# KiCad board panel-16.kicad_pcb (continued)
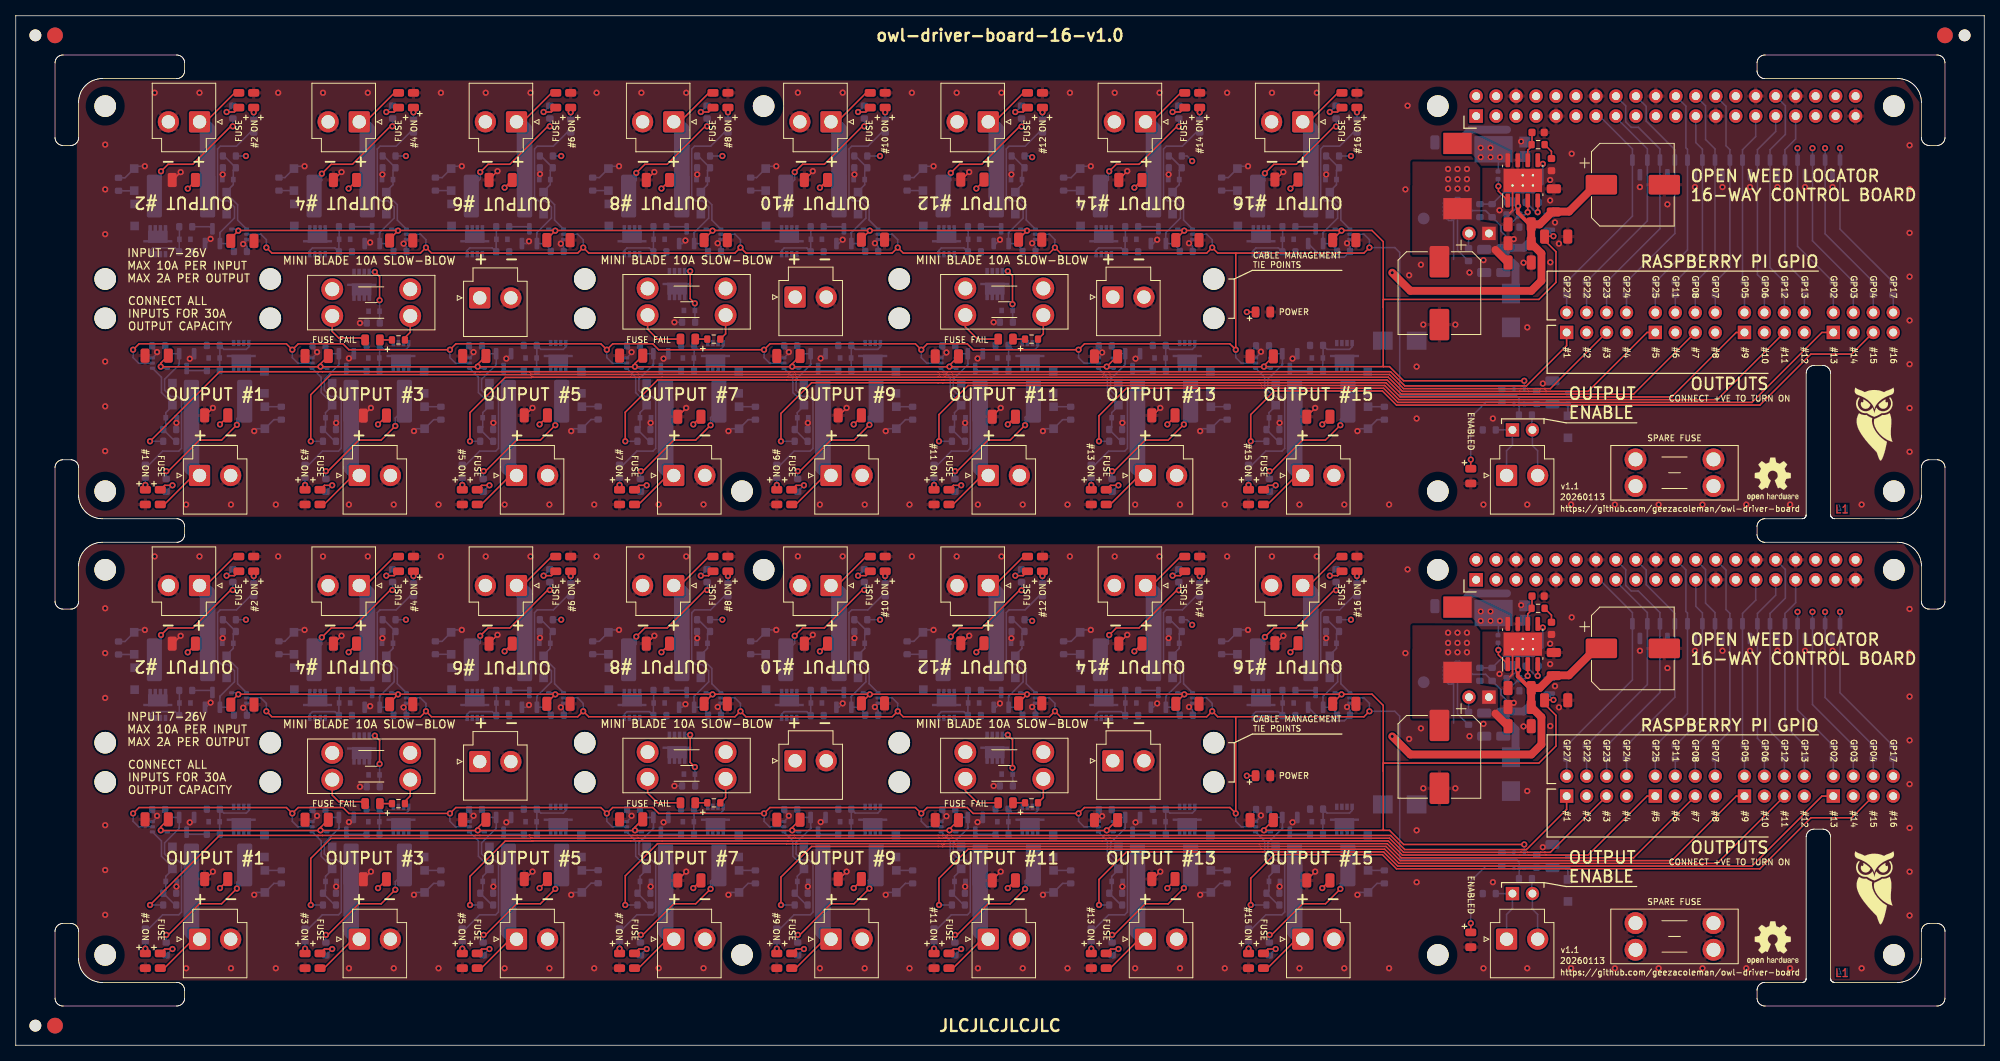
[diagram p0: board, top side]
## Placement (name value [footprint] x y rotation side) (continued)
R128#2  1k  [R_0603_1608Metric]  147.94 118.75 270 bottom
R129  1k  [R_0603_1608Metric]  159.9 17.85 180 bottom
R129#2  1k  [R_0603_1608Metric]  159.9 76.85 180 bottom
R130  10k  [R_0603_1608Metric]  159.9 19.35 180 bottom
R130#2  10k  [R_0603_1608Metric]  159.9 78.35 180 bottom
R131  470  [R_0603_1608Metric]  156.8 14.05 90 bottom
R131#2  470  [R_0603_1608Metric]  156.8 73.05 90 bottom
R132  10k  [R_0603_1608Metric]  158.58 89 0 bottom
R132#2  10k  [R_0603_1608Metric]  158.58 30 0 bottom
R133  1k  [R_0603_1608Metric]  165.45 30.05 180 bottom
R133#2  1k  [R_0603_1608Metric]  165.45 89.05 180 bottom
R134  470  [R_0603_1608Metric]  165.45 26.85 0 bottom
R134#2  470  [R_0603_1608Metric]  165.45 85.85 0 bottom
R135  1k  [R_0603_1608Metric]  159.45 71.25 90 bottom
R135#2  1k  [R_0603_1608Metric]  159.45 12.25 90 bottom
R136  1k  [R_0603_1608Metric]  167.49 54.15 0 bottom
R136#2  1k  [R_0603_1608Metric]  167.49 113.15 0 bottom
R137  10k  [R_0603_1608Metric]  167.49 52.65 0 bottom
R137#2  10k  [R_0603_1608Metric]  167.49 111.65 0 bottom
R138  470  [R_0603_1608Metric]  170.59 116.95 270 bottom
R138#2  470  [R_0603_1608Metric]  170.59 57.95 270 bottom
R139  10k  [R_0603_1608Metric]  168.88 101 180 bottom
R139#2  10k  [R_0603_1608Metric]  168.88 42 180 bottom
R140  1k  [R_0603_1608Metric]  161.94 100.95 0 bottom
R140#2  1k  [R_0603_1608Metric]  161.94 41.95 0 bottom
R141  470  [R_0603_1608Metric]  161.94 45.15 180 bottom
R141#2  470  [R_0603_1608Metric]  161.94 104.15 180 bottom
R142  1k  [R_0603_1608Metric]  167.94 118.75 270 bottom
R142#2  1k  [R_0603_1608Metric]  167.94 59.75 270 bottom
R143  470  [R_0603_1608Metric]  227.56 96.3 270 bottom
R143#2  470  [R_0603_1608Metric]  227.56 37.3 270 bottom
R144  470  [R_0603_1608Metric]  224.96 37.3 270 bottom
R144#2  470  [R_0603_1608Metric]  224.96 96.3 270 bottom
R145  470  [R_0603_1608Metric]  222.46 37.3 270 bottom
R145#2  470  [R_0603_1608Metric]  222.46 96.3 270 bottom
R146  470  [R_0603_1608Metric]  219.86 96.3 270 bottom
R146#2  470  [R_0603_1608Metric]  219.86 37.3 270 bottom
R154  10k  [R_0603_1608Metric]  33.78 80.43 90 bottom
R154#2  10k  [R_0603_1608Metric]  33.78 21.43 90 bottom
R155  10k  [R_0603_1608Metric]  13.08 50.55 270 bottom
R155#2  10k  [R_0603_1608Metric]  13.08 109.55 270 bottom
R156  10k  [R_0603_1608Metric]  54.08 21.43 90 bottom
R156#2  10k  [R_0603_1608Metric]  54.08 80.43 90 bottom
R157  10k  [R_0603_1608Metric]  33.48 50.58 270 bottom
R157#2  10k  [R_0603_1608Metric]  33.48 109.58 270 bottom
R158  10k  [R_0603_1608Metric]  74.08 80.45 90 bottom
R158#2  10k  [R_0603_1608Metric]  74.08 21.45 90 bottom
R159  10k  [R_0603_1608Metric]  53.38 50.58 270 bottom
R159#2  10k  [R_0603_1608Metric]  53.38 109.58 270 bottom
R160  10k  [R_0603_1608Metric]  94.08 80.43 90 bottom
R160#2  10k  [R_0603_1608Metric]  94.08 21.43 90 bottom
R161  10k  [R_0603_1608Metric]  73.38 109.58 270 bottom
R161#2  10k  [R_0603_1608Metric]  73.38 50.58 270 bottom
R162  10k  [R_0603_1608Metric]  114.08 80.43 90 bottom
R162#2  10k  [R_0603_1608Metric]  114.08 21.43 90 bottom
R163  10k  [R_0603_1608Metric]  93.48 50.58 270 bottom
R163#2  10k  [R_0603_1608Metric]  93.48 109.58 270 bottom
R164  10k  [R_0603_1608Metric]  134.18 80.43 90 bottom
R164#2  10k  [R_0603_1608Metric]  134.18 21.43 90 bottom
R165  10k  [R_0603_1608Metric]  113.38 109.58 270 bottom
R165#2  10k  [R_0603_1608Metric]  113.38 50.58 270 bottom
R166  10k  [R_0603_1608Metric]  154.08 80.43 90 bottom
R166#2  10k  [R_0603_1608Metric]  154.08 21.43 90 bottom
R167  10k  [R_0603_1608Metric]  133.28 109.58 270 bottom
R167#2  10k  [R_0603_1608Metric]  133.28 50.58 270 bottom
R168  10k  [R_0603_1608Metric]  174.08 80.43 90 bottom
R168#2  10k  [R_0603_1608Metric]  174.08 21.43 90 bottom
R169  10k  [R_0603_1608Metric]  153.38 50.58 270 bottom
R169#2  10k  [R_0603_1608Metric]  153.38 109.58 270 bottom
TP1  TestPoint  [TestPoint_Pad_D1.5mm_NoSilk]  179.08 46.2 180 bottom
TP1#2  TestPoint  [TestPoint_Pad_D1.5mm_NoSilk]  179.08 105.2 180 bottom
U1  TPS54531DDA  [Texas_R-PDSO-G8_EP2.95x4.9mm_Mask2.4x3.1mm_ThermalVias]  191.68 51.05 90 top
U1#2  TPS54531DDA  [Texas_R-PDSO-G8_EP2.95x4.9mm_Mask2.4x3.1mm_ThermalVias]  191.68 110.05 90 top
U3  LM73100  [LM73100-QFN10]  182.68 106.4 90 bottom
U3#2  LM73100  [LM73100-QFN10]  182.68 47.4 90 bottom
U5  74LVC1G08  [SOT-353_SC-70-5]  18.34 86.8 0 bottom
U5#2  74LVC1G08  [SOT-353_SC-70-5]  18.34 27.8 0 bottom
U6  74LVC1G08  [SOT-353_SC-70-5]  28.42 103.2 180 bottom
U6#2  74LVC1G08  [SOT-353_SC-70-5]  28.42 44.2 180 bottom
U7  74LVC1G08  [SOT-353_SC-70-5]  38.65 86.8 0 bottom
U7#2  74LVC1G08  [SOT-353_SC-70-5]  38.65 27.8 0 bottom
U8  74LVC1G08  [SOT-353_SC-70-5]  191.22 23.55 90 bottom
U8#2  74LVC1G08  [SOT-353_SC-70-5]  191.22 82.55 90 bottom
U9  XC6206P332MR  [SOT-23]  194.12 45.7 180 bottom
U9#2  XC6206P332MR  [SOT-23]  194.12 104.7 180 bottom
U10  74LVC1G08  [SOT-353_SC-70-5]  48.74 44.2 180 bottom
U10#2  74LVC1G08  [SOT-353_SC-70-5]  48.74 103.2 180 bottom
U11  74LVC1G08  [SOT-353_SC-70-5]  58.65 86.8 0 bottom
U11#2  74LVC1G08  [SOT-353_SC-70-5]  58.65 27.8 0 bottom
U12  74LVC1G08  [SOT-353_SC-70-5]  68.74 103.2 180 bottom
U12#2  74LVC1G08  [SOT-353_SC-70-5]  68.74 44.2 180 bottom
U13  74LVC1G08  [SOT-353_SC-70-5]  78.65 86.8 0 bottom
U13#2  74LVC1G08  [SOT-353_SC-70-5]  78.65 27.8 0 bottom
U14  74LVC1G08  [SOT-353_SC-70-5]  88.74 103.2 180 bottom
U14#2  74LVC1G08  [SOT-353_SC-70-5]  88.74 44.2 180 bottom
U15  74LVC1G08  [SOT-353_SC-70-5]  98.65 86.8 0 bottom
U15#2  74LVC1G08  [SOT-353_SC-70-5]  98.65 27.8 0 bottom
U16  74LVC1G08  [SOT-353_SC-70-5]  108.74 103.2 180 bottom
U16#2  74LVC1G08  [SOT-353_SC-70-5]  108.74 44.2 180 bottom
U17  74LVC1G08  [SOT-353_SC-70-5]  118.65 86.8 0 bottom
U17#2  74LVC1G08  [SOT-353_SC-70-5]  118.65 27.8 0 bottom
U18  74LVC1G08  [SOT-353_SC-70-5]  128.74 44.2 180 bottom
U18#2  74LVC1G08  [SOT-353_SC-70-5]  128.74 103.2 180 bottom
U19  74LVC1G08  [SOT-353_SC-70-5]  138.65 86.8 0 bottom
U19#2  74LVC1G08  [SOT-353_SC-70-5]  138.65 27.8 0 bottom
U20  74LVC1G08  [SOT-353_SC-70-5]  148.74 103.2 180 bottom
U20#2  74LVC1G08  [SOT-353_SC-70-5]  148.74 44.2 180 bottom
U21  74LVC1G08  [SOT-353_SC-70-5]  158.65 27.8 0 bottom
U21#2  74LVC1G08  [SOT-353_SC-70-5]  158.65 86.8 0 bottom
U22  74LVC1G08  [SOT-353_SC-70-5]  168.74 103.2 180 bottom
U22#2  74LVC1G08  [SOT-353_SC-70-5]  168.74 44.2 180 bottom

## Library data of the parts
C1 C1#2 C2 C2#2 C3 C3#2 C4 C4#2 C5 C5#2 C6 C6#2 C9 C9#2 C10 C10#2 C11 C11#2 C14 C14#2 C15 C15#2 C16 C16#2 C18 C18#2 C19 C19#2 C20 C20#2 C25 C25#2 C29 C29#2 C30 C30#2 C31 C31#2 C32 C32#2 C33 C33#2 C34 C34#2 C35 C35#2 C36 C36#2 C37 C37#2 C38 C38#2 C39 C39#2 C40 C40#2 C41 C41#2 C42 C42#2 C43 C43#2 C44 C44#2 C45 C45#2 = -: LCSC: C13585; Part: CL31A106KBHNNNE
C7 C7#2 C12 C12#2 C21 C21#2 C26 C26#2 C27 C27#2 C28 C28#2 C46 C46#2 C47 C47#2 C48 C48#2 = -: Part: CL31A106KBHNNNE; LCSC: C13585
C8 C8#2 C13 C13#2 = -: LCSC: C125977
C17 C17#2 = -: LCSC: C307331; Part: CL05B104KB54PNC
C22 C22#2 = -: Datasheet: https://datasheet.lcsc.com/lcsc/1810221112_Samsung-Electro-Mechanics-CL31A106KBHNNNE_C13585.pdf; Part: CL10C100JB8NNNC; LCSC: C1634
C23 C23#2 = -: Datasheet: https://datasheet.lcsc.com/lcsc/1810221112_Samsung-Electro-Mechanics-CL31A106KBHNNNE_C13585.pdf; LCSC: C1870141; Part: GCM1885C1H202FA16J
C24 C24#2 = -: LCSC: C57112; Part: 0603B103K500NT
D1 D1#2 D4 D4#2 D5 D5#2 D19 D19#2 D24 D24#2 D32 D32#2 D43 D43#2 D55 D55#2 D62 D62#2 D69 D69#2 D76 D76#2 D83 D83#2 D90 D90#2 D97 D97#2 D104 D104#2 D111 D111#2 D118 D118#2 D125 D125#2 D132 D132#2 = -: LCSC: C2296
D2 D2#2 D3 D3#2 D15 D15#2 D21 D21#2 D26 D26#2 D52 D52#2 D59 D59#2 D66 D66#2 D73 D73#2 D80 D80#2 D87 D87#2 D94 D94#2 D101 D101#2 D108 D108#2 D115 D115#2 D122 D122#2 = -: Datasheet: https://www.lcsc.com/datasheet/C460799.pdf; LCSC: C460799; Part: BZT585B13T-7
D6 D6#2 D33 D33#2 D39 D39#2 D45 D45#2 D46 D46#2 D47 D47#2 D48 D48#2 D49 D49#2 D50 D50#2 D57 D57#2 D64 D64#2 D71 D71#2 D78 D78#2 D85 D85#2 D92 D92#2 D99 D99#2 D106 D106#2 D113 D113#2 D120 D120#2 D133 D133#2 = -: Datasheet: https://datasheet.lcsc.com/lcsc/2401261513_BORN-BZT52C5V1T_C20612287.pdf; Note: 9V Zener; LCSC: C2987034
D7 D7#2 = -: Datasheet: https://www.vishay.com/doc?85881; LCSC: C315992
D8 D8#2 D9 D9#2 D10 D10#2 D11 D11#2 D12 D12#2 D13 D13#2 D14 D14#2 D17 D17#2 D18 D18#2 D20 D20#2 D22 D22#2 D23 D23#2 D25 D25#2 D27 D27#2 D28 D28#2 D40 D40#2 D44 D44#2 D53 D53#2 D54 D54#2 D56 D56#2 D60 D60#2 D61 D61#2 D63 D63#2 D67 D67#2 D68 D68#2 D70 D70#2 D74 D74#2 D75 D75#2 D77 D77#2 D81 D81#2 D82 D82#2 D84 D84#2 D88 D88#2 D89 D89#2 D91 D91#2 D95 D95#2 D96 D96#2 D98 D98#2 D102 D102#2 D103 D103#2 D105 D105#2 D109 D109#2 D110 D110#2 D112 D112#2 D116 D116#2 D117 D117#2 D119 D119#2 D123 D123#2 D124 D124#2 = -: Datasheet: https://datasheet.lcsc.com/lcsc/2304140030_TWGMC-DSK34_C727076.pdf; LCSC: C727076
D16 D16#2 = -: LCSC: C83333
D29 D29#2 D30 D30#2 D31 D31#2 D37 D37#2 D38 D38#2 D41 D41#2 D42 D42#2 D51 D51#2 D58 D58#2 D65 D65#2 D72 D72#2 D79 D79#2 D86 D86#2 D93 D93#2 D100 D100#2 D107 D107#2 D114 D114#2 D121 D121#2 = -: Datasheet: https://jlcpcb.com/api/file/downloadByFileSystemAccessId/8550724011370958848; LCSC: C2297
D34 D34#2 D35 D35#2 D126 D126#2 D127 D127#2 D128 D128#2 D129 D129#2 D130 D130#2 D131 D131#2 = -: Datasheet: https://datasheet.lcsc.com/lcsc/2201131330_Yangzhou-Yangjie-Elec-Tech-AZ23C3V3_C968007.pdf; LCSC: C968007
D36 D36#2 = -: Datasheet: https://datasheet.lcsc.com/lcsc/1804140121_Diodes-Incorporated-PDS1040L-13_C154714.pdf; LCSC: C154714
F1 F1#2 F18 F18#2 F19 F19#2 = -: Datasheet: https://www.lcsc.com/datasheet/lcsc_datasheet_2410121830_XFCN-XF-508P-B-B_C19727305.pdf; Note: 10A-hold 30V mini blade fuse; LCSC: C19727305
F2 F2#2 F5 F5#2 = -: Datasheet: https://datasheet.lcsc.com/lcsc/1809131552_Littelfuse-2920L200DR_C207087.pdf; LCSC: C207087; Note: 2A self-resetting fuse
F3 F3#2 F4 F4#2 F6 F6#2 F7 F7#2 F8 F8#2 F9 F9#2 F10 F10#2 F11 F11#2 F12 F12#2 F13 F13#2 F14 F14#2 F15 F15#2 F16 F16#2 F17 F17#2 = -: Datasheet: https://datasheet.lcsc.com/lcsc/1809131552_Littelfuse-2920L200DR_C207087.pdf; Note: 2A self-resetting fuse; LCSC: C207087
F20 F20#2 = -: Datasheet: https://www.lcsc.com/datasheet/lcsc_datasheet_2304140030_Jinrui-Electronic-Materials-Co--JK30-900_C369112.pdf; Note: Spare fuse; LCSC: C19727305
J2 J2#2 = -: Datasheet: https://datasheet.lcsc.com/lcsc/1811132110_BOOMELE-Boom-Precision-Elec-C35165_C35165.pdf; LCSC: C35165
J3 J3#2 J4 J4#2 J5 J5#2 J7 J7#2 J8 J8#2 J10 J10#2 J12 J12#2 J13 J13#2 J14 J14#2 J15 J15#2 J16 J16#2 J17 J17#2 J18 J18#2 J19 J19#2 J20 J20#2 J21 J21#2 J22 J22#2 J23 J23#2 J24 J24#2 J26 J26#2 = -: LCSC: C265114
J6 J6#2 J25 J25#2 J27 J27#2 J29 J29#2 = -: Datasheet: https://datasheet.lcsc.com/lcsc/2201121730_DEALON-DZ200R-22-08-39_C2935959.pdf; LCSC: C358693
J9 J9#2 J11 J11#2 = -: Datasheet: https://datasheet.lcsc.com/lcsc/1912111437_MINTRON-MTP220-1102S1_C376075.pdf; LCSC: C358684
L1 L1#2 = -: Datasheet: https://datasheet.lcsc.com/lcsc/2307060944_DMBJ-CXP1050-100M-AG-10uh_C7461391.pdf; LCSC: C7461391; Part: CXP1050-100M-AG(10uh)
Q1 Q1#2 Q2 Q2#2 Q3 Q3#2 Q7 Q7#2 Q9 Q9#2 Q11 Q11#2 Q13 Q13#2 Q15 Q15#2 Q17 Q17#2 Q19 Q19#2 Q21 Q21#2 Q23 Q23#2 Q25 Q25#2 Q27 Q27#2 Q29 Q29#2 Q31 Q31#2 Q33 Q33#2 Q34 Q34#2 Q35 Q35#2 = -: Datasheet: https://datasheet.lcsc.com/lcsc/2309121403_AGM-Semi-AGM60P85AP_C17701049.pdf; LCSC: C17701049
Q4 Q4#2 Q5 Q5#2 Q6 Q6#2 Q8 Q8#2 Q10 Q10#2 Q12 Q12#2 Q14 Q14#2 Q16 Q16#2 Q18 Q18#2 Q20 Q20#2 Q22 Q22#2 Q24 Q24#2 Q26 Q26#2 Q28 Q28#2 Q30 Q30#2 Q32 Q32#2 = -: Datasheet: https://datasheet.lcsc.com/lcsc/1810151612_Jiangsu-Changjing-Electronics-Technology-Co---Ltd--2N7002_C8545.pdf; LCSC: C8545
R1 R1#2 R2 R2#2 R3 R3#2 R4 R4#2 R5 R5#2 R9 R9#2 R10 R10#2 R13 R13#2 R15 R15#2 R17 R17#2 R18 R18#2 R20 R20#2 R22 R22#2 R23 R23#2 R24 R24#2 R26 R26#2 R48 R48#2 R49 R49#2 R50 R50#2 R52 R52#2 R65 R65#2 R66 R66#2 R70 R70#2 R72 R72#2 R73 R73#2 R77 R77#2 R79 R79#2 R80 R80#2 R84 R84#2 R86 R86#2 R87 R87#2 R91 R91#2 R93 R93#2 R94 R94#2 R98 R98#2 R100 R100#2 R101 R101#2 R105 R105#2 R107 R107#2 R108 R108#2 R112 R112#2 R114 R114#2 R115 R115#2 R119 R119#2 R121 R121#2 R122 R122#2 R126 R126#2 R128 R128#2 R129 R129#2 R133 R133#2 R135 R135#2 R136 R136#2 R140 R140#2 R142 R142#2 = -: Datasheet: https://datasheet.lcsc.com/lcsc/2206010130_UNI-ROYAL-Uniroyal-Elec-0603WAF1001T5E_C21190.pdf; LCSC: C21190
R6 R6#2 R7 R7#2 R16 R16#2 R21 R21#2 R29 R29#2 R30 R30#2 R31 R31#2 R32 R32#2 R33 R33#2 R34 R34#2 R35 R35#2 R36 R36#2 R37 R37#2 R38 R38#2 R39 R39#2 R40 R40#2 R55 R55#2 R58 R58#2 R59 R59#2 R60 R60#2 R61 R61#2 R63 R63#2 R64 R64#2 R68 R68#2 R71 R71#2 R75 R75#2 R78 R78#2 R82 R82#2 R85 R85#2 R89 R89#2 R92 R92#2 R96 R96#2 R99 R99#2 R103 R103#2 R106 R106#2 R110 R110#2 R113 R113#2 R117 R117#2 R120 R120#2 R124 R124#2 R127 R127#2 R131 R131#2 R134 R134#2 R138 R138#2 R141 R141#2 R143 R143#2 R144 R144#2 R145 R145#2 R146 R146#2 = -: Datasheet: https://datasheet.lcsc.com/lcsc/2205311845_UNI-ROYAL-Uniroyal-Elec-0603WAJ0471T5E_C25241.pdf; LCSC: C25241
R8 R8#2 R11 R11#2 R12 R12#2 R14 R14#2 R19 R19#2 R25 R25#2 R27 R27#2 R47 R47#2 R51 R51#2 R53 R53#2 R54 R54#2 R56 R56#2 R57 R57#2 R62 R62#2 R67 R67#2 R69 R69#2 R74 R74#2 R76 R76#2 R81 R81#2 R83 R83#2 R88 R88#2 R90 R90#2 R95 R95#2 R97 R97#2 R102 R102#2 R104 R104#2 R109 R109#2 R111 R111#2 R116 R116#2 R118 R118#2 R123 R123#2 R125 R125#2 R130 R130#2 R132 R132#2 R137 R137#2 R139 R139#2 R154 R154#2 R155 R155#2 R156 R156#2 R157 R157#2 R158 R158#2 R159 R159#2 R160 R160#2 R161 R161#2 R162 R162#2 R163 R163#2 R164 R164#2 R165 R165#2 R166 R166#2 R167 R167#2 R168 R168#2 R169 R169#2 = -: Datasheet: https://datasheet.lcsc.com/lcsc/2206010216_UNI-ROYAL-Uniroyal-Elec-0603WAJ0103T5E_C15401.pdf; LCSC: C15401
R41 R41#2 = -: Datasheet: https://datasheet.lcsc.com/lcsc/2206010216_UNI-ROYAL-Uniroyal-Elec-0603WAJ0103T5E_C15401.pdf; LCSC: C22816; Part: 0603WAF1653T5E
R42 R42#2 = -: Datasheet: https://datasheet.lcsc.com/lcsc/2206010216_UNI-ROYAL-Uniroyal-Elec-0603WAJ0103T5E_C15401.pdf; LCSC: C22772; Part: 0603WAF1022T5E
R43 R43#2 = -: Datasheet: https://datasheet.lcsc.com/lcsc/2206010216_UNI-ROYAL-Uniroyal-Elec-0603WAJ0103T5E_C15401.pdf; LCSC: C23172; Part: 0603WAF4302T5E
R44 R44#2 = -: Datasheet: https://datasheet.lcsc.com/lcsc/2206010216_UNI-ROYAL-Uniroyal-Elec-0603WAJ0103T5E_C15401.pdf; LCSC: C22803; Note: 0603WAF1402T5E; Part: 0603WAF1402T5E
R45 R45#2 = -: Datasheet: https://datasheet.lcsc.com/lcsc/2206010216_UNI-ROYAL-Uniroyal-Elec-0603WAJ0103T5E_C15401.pdf; LCSC: C22850; Part: 0603WAF1871T5E
R46 R46#2 = -: Datasheet: https://datasheet.lcsc.com/lcsc/2206010216_UNI-ROYAL-Uniroyal-Elec-0603WAJ0103T5E_C15401.pdf; LCSC: C23146; Part: 0603WAF3603T5E
U1 U1#2 = -: Datasheet: https://www.ti.com/lit/ds/symlink/tps54560b.pdf; LCSC: C50605; Part: TPS54531DDAR
U3 U3#2 = -: Datasheet: https://www.ti.com/lit/ds/symlink/lm7310.pdf; LCSC: C3210761; Part: LM73100RPWR
U5 U5#2 U6 U6#2 U7 U7#2 U8 U8#2 U10 U10#2 U11 U11#2 U12 U12#2 U13 U13#2 U14 U14#2 U15 U15#2 U16 U16#2 U17 U17#2 U18 U18#2 U19 U19#2 U20 U20#2 U21 U21#2 U22 U22#2 = -: Datasheet: https://datasheet.lcsc.com/lcsc/1809291813_Nexperia-74LVC1G08GW-125_C12512.pdf; Description: Single AND Gate, Low-Voltage CMOS; Part: 74LVC1G08GW,125; LCSC: C12512
U9 U9#2 = -: Datasheet: https://www.diodes.com/assets/Datasheets/AZ1117.pdf; Description: 1A 20V Fixed LDO Linear Regulator, 3.3V, SOT-89/SOT-223/TO-220/TO-252/TO-263; LCSC: C5148692

## Footprints (pads in the part's own frame, mm; a bottom-side part is the same pattern mirrored in y, then rotated)
C_0402_1005Metric_nosilk
  rrect 0.56x0.62 smd: 1(-0.48,0) 2(0.48,0)
C_0603_1608Metric_nosilk
  rrect 0.9x0.95 smd: 1(-0.775,0) 2(0.775,0)
C_1206_3216Metric_nosilk
  rrect 1.15x1.8 smd: 1(-1.475,0) 2(1.475,0)
Connector_PinHeader_2x04_P2.54mm_Vertical_nosilk
  rect 1.7x1.7 hole 1: 1(0,0)
  oval 1.7x1.7 hole 1: 2(2.54,0) 3(0,-2.54) 4(2.54,-2.54) 5(0,-5.08) 6(2.54,-5.08) 7(0,-7.62) 8(2.54,-7.62)
CP_Elec_10x10
  rrect 4x2.5 smd: 1(-4,0) 2(4,0)
D_PowerDI-5
  rect 4.86x3.36 smd: 1(-1.12,0)
  rect 1.4x1.39 smd: 2(2.862,-0.92) 2(2.862,0.92)
D_SMB_silkpolarity
  rect 2.5x2.3 smd: 1(-2.15,0) 2(2.15,0)
D_SOD-123F_silkpolarity
  rect 1.1x1.1 smd: 1(-1.4,0) 2(1.4,0)
D_SOD-523_silkpolarity
  rect 0.6x0.7 smd: 1(-0.7,0) 2(0.7,0)
Fiducial
  round 2 smd: (0,0)
Fuse_2920_7451Metric_nosilk
  rrect 1.925x5.45 smd: 1(-3.388,0) 2(3.388,0)
Fuseholder_Blade_Mini_Keystone_3568
  round 2.78 hole 1.78: 1(0,0) 1(0,-3.4) 2(9.92,0) 2(9.92,-3.4)
JST_VH_B2P-VH_1x02_P3.96mm_Vertical
  rrect 2.7x2.7 hole 1.7: 1(0,0)
  round 2.7 hole 1.7: 2(3.96,0)
L_10.4x10.4_H4.8
  rect 2.7x3.6 smd: 1(-4.15,0) 2(4.15,0)
LED_0805_2012Metric
  rrect 0.975x1.4 smd: 1(-0.938,0) 2(0.938,0)
LM73100-QFN10
  custom 0.6x0.65 smd: 1(-0.9,0.7) 4(-0.9,-0.7) 7(0.9,-0.7) 10(0.9,0.7)
  rrect 0.6x0.25 smd: 2(-0.9,0.225) 3(-0.9,-0.225) 8(0.9,-0.225) 9(0.9,0.225)
  rrect 0.3x2.4 smd: 5(-0.25,0) 6(0.25,0)
NPTH
  round 1.5 hole 1.5 unplated: (0,0)
PDFN-8-3.3x3.3
  custom 0.45x0.8 smd: 1(-3.825,3.75) 3(-3.175,3.75) 3(-2.525,3.75) 3(-1.875,3.75)
  custom 3.7x2.25 smd: 2(-2.84,2.1)
Pin_Header_Straight_2x20
  rect 1.727x1.727 hole 1.016: 1(-1.27,24.13)
  oval 1.727x1.727 hole 1.016: 2(1.27,24.13) 3(-1.27,21.59) 4(1.27,21.59) 5(-1.27,19.05) 6(1.27,19.05) 7(-1.27,16.51) 8(1.27,16.51) 9(-1.27,13.97) 10(1.27,13.97) 11(-1.27,11.43) 12(1.27,11.43) 13(-1.27,8.89) 14(1.27,8.89) 15(-1.27,6.35) 16(1.27,6.35) 17(-1.27,3.81) 18(1.27,3.81) 19(-1.27,1.27) 20(1.27,1.27) 21(-1.27,-1.27) 22(1.27,-1.27) 23(-1.27,-3.81) 24(1.27,-3.81) 25(-1.27,-6.35) 26(1.27,-6.35) 27(-1.27,-8.89) 28(1.27,-8.89) 29(-1.27,-11.43) 30(1.27,-11.43) 31(-1.27,-13.97) 32(1.27,-13.97) 33(-1.27,-16.51) 34(1.27,-16.51) 35(-1.27,-19.05) 36(1.27,-19.05) 37(-1.27,-21.59) 38(1.27,-21.59) 39(-1.27,-24.13) 40(1.27,-24.13)
PinHeader_1x02_P2.54mm_Vertical_nosilk
  rect 1.7x1.7 hole 1: 1(0,0)
  oval 1.7x1.7 hole 1: 2(0,-2.54)
R_0603_1608Metric
  rrect 0.8x0.95 smd: 1(-0.825,0) 2(0.825,0)
RPi_Hat_Mounting_Hole
  round 2.75 hole 2.75 unplated: (0,0)
SOT-23
  rrect 1.475x0.6 smd: 1(-0.938,0.95) 2(-0.938,-0.95) 3(0.938,0)
SOT-23_nosilk
  rrect 1.475x0.6 smd: 1(-0.938,0.95) 2(-0.938,-0.95) 3(0.938,0)
SOT-353_SC-70-5
  rrect 0.65x0.4 smd: 1(-0.95,0.65) 2(-0.95,0) 3(-0.95,-0.65) 4(0.95,-0.65) 5(0.95,0.65)
TestPoint_Pad_D1.5mm_NoSilk
  round 1.5 smd: 1(0,0)
Texas_R-PDSO-G8_EP2.95x4.9mm_Mask2.4x3.1mm_ThermalVias
  rrect 1.04x0.89 smd: (-0.6,1.03) (-0.6,0) (-0.6,-1.03) (0.6,1.03) (0.6,0) (0.6,-1.03)
  rect 2.4x3.1 smd: (0,0)
  rrect 1.775x0.6 smd: 1(-2.562,1.905) 2(-2.562,0.635) 3(-2.562,-0.635) 4(-2.562,-1.905) 5(2.562,-1.905) 6(2.562,-0.635) 7(2.562,0.635) 8(2.562,1.905)
  round 0.6 hole 0.3: 9(-0.65,1.3) 9(-0.65,0) 9(-0.65,-1.3) 9(0.65,0) 9(0.65,-1.3)
  rect 1.8x3.1 smd far side: 9(0,0)
  rect 2.95x4.9 smd: 9(0,0)

## Nets
Board_0-+3V3: C29#2.1 C30#2.1 C31.1 C32#2.1 C33.1 C34#2.1 C35#2.1 C36#2.1 C37.1 C38#2.1 C39#2.1 C40.1 C41#2.1 C42.1 C43#2.1 C44#2.1 C45.1 U5.5 U6.5 U7.5 U8#2.5 U9#2.2 U10#2.5 U11.5 U12.5 U13.5 U14.5 U15.5 U16.5 U17.5 U18#2.5 U19.5 U20.5 U21#2.5 U22.5
Board_0-+5V: C9#2.1 C13#2.1 C14.1 C20.1 D16#2.1 J9#2.1 L1#2.2 R42#2.2 U9#2.3
Board_0-/BOOT: C17#2.1 U1#2.1
Board_0-/COMP: C22#2.1 R44#2.1 U1#2.6
Board_0-/EN: R41.1 R43.2 U1#2.3
Board_0-/Output chain 1/DRAIN: D8.2 D10#2.1 F2#2.1 Q2#2.2 R4#2.2 R154.2
Board_0-/Output chain 1/GATE: D2#2.2 Q2#2.1 R2#2.1 R6#2.2
Board_0-/Output chain 1/OUTPUT+: D4.1 F2#2.2 J4#2.1
Board_0-/Output chain 2/DRAIN: D9.2 D11.1 F3#2.1 Q3#2.2 R5#2.2 R155#2.2
Board_0-/Output chain 2/GATE: D3.2 Q3#2.1 R3.1 R7#2.2
Board_0-/Output chain 2/OUTPUT+: D5.1 F3#2.2 J5#2.1
Board_0-/Output chain 3/DRAIN: D17#2.2 D18.1 F4.1 Q7.2 R17.2 R156#2.2
Board_0-/Output chain 3/GATE: D15.2 Q7.1 R15.1 R16#2.2
Board_0-/Output chain 3/OUTPUT+: D19.1 F4.2 J7#2.1
Board_0-/Output chain 4/DRAIN: D22#2.2 D23#2.1 F5.1 Q9#2.2 R22.2 R157#2.2
Board_0-/Output chain 4/GATE: D21#2.2 Q9#2.1 R20#2.1 R21.2
Board_0-/Output chain 4/OUTPUT+: D24#2.1 F5.2 J8.1
Board_0-/Output chain 5/DRAIN: D27#2.2 D28.1 F6.1 Q11#2.2 R65.2 R158.2
Board_0-/Output chain 5/GATE: D26#2.2 Q11#2.1 R52.1 R64#2.2
Board_0-/Output chain 5/OUTPUT+: D43#2.1 F6.2 J12#2.1
Board_0-/Output chain 6/DRAIN: D53.2 D54.1 F7.1 Q13#2.2 R72#2.2 R159#2.2
Board_0-/Output chain 6/GATE: D52.2 Q13#2.1 R70.1 R71#2.2
Board_0-/Output chain 6/OUTPUT+: D55#2.1 F7.2 J13#2.1
Board_0-/Output chain 7/DRAIN: D60.2 D61#2.1 F8#2.1 Q15.2 R79#2.2 R160.2
Board_0-/Output chain 7/GATE: D59.2 Q15.1 R77#2.1 R78#2.2
Board_0-/Output chain 7/OUTPUT+: D62#2.1 F8#2.2 J14.1
Board_0-/Output chain 8/DRAIN: D67#2.2 D68#2.1 F9#2.1 Q17.2 R86#2.2 R161.2
Board_0-/Output chain 8/GATE: D66#2.2 Q17.1 R84.1 R85.2
Board_0-/Output chain 8/OUTPUT+: D69.1 F9#2.2 J15#2.1
Board_0-/Output chain 9/DRAIN: D74.2 D75#2.1 F10#2.1 Q19.2 R93#2.2 R162.2
Board_0-/Output chain 9/GATE: D73#2.2 Q19.1 R91.1 R92.2
Board_0-/Output chain 9/OUTPUT+: D76#2.1 F10#2.2 J16.1
Board_0-/Output chain 10/DRAIN: D81#2.2 D82#2.1 F11.1 Q21.2 R100#2.2 R163#2.2
Board_0-/Output chain 10/GATE: D80#2.2 Q21.1 R98#2.1 R99#2.2
Board_0-/Output chain 10/OUTPUT+: D83#2.1 F11.2 J17.1
Board_0-/Output chain 11/DRAIN: D88#2.2 D89.1 F12#2.1 Q23.2 R107.2 R164.2
Board_0-/Output chain 11/GATE: D87#2.2 Q23.1 R105.1 R106#2.2
Board_0-/Output chain 11/OUTPUT+: D90#2.1 F12#2.2 J18.1
Board_0-/Output chain 12/DRAIN: D95.2 D96#2.1 F13.1 Q25.2 R114#2.2 R165.2
Board_0-/Output chain 12/GATE: D94#2.2 Q25.1 R112.1 R113#2.2
Board_0-/Output chain 12/OUTPUT+: D97#2.1 F13.2 J19#2.1
Board_0-/Output chain 13/DRAIN: D102#2.2 D103.1 F14.1 Q27#2.2 R121#2.2 R166.2
Board_0-/Output chain 13/GATE: D101.2 Q27#2.1 R119.1 R120#2.2
Board_0-/Output chain 13/OUTPUT+: D104#2.1 F14.2 J20.1
Board_0-/Output chain 14/DRAIN: D109#2.2 D110#2.1 F15.1 Q29.2 R128#2.2 R167.2
Board_0-/Output chain 14/GATE: D108.2 Q29.1 R126#2.1 R127.2
Board_0-/Output chain 14/OUTPUT+: D111#2.1 F15.2 J21.1
Board_0-/Output chain 15/DRAIN: D116#2.2 D117#2.1 F16.1 Q31#2.2 R135.2 R168.2
Board_0-/Output chain 15/GATE: D115.2 Q31#2.1 R133#2.1 R134#2.2
Board_0-/Output chain 15/OUTPUT+: D118.1 F16.2 J22.1
Board_0-/Output chain 16/DRAIN: D123#2.2 D124#2.1 F17.1 Q33.2 R142.2 R169#2.2
Board_0-/Output chain 16/GATE: D122#2.2 Q33.1 R140.1 R141#2.2
Board_0-/Output chain 16/OUTPUT+: D125.1 F17.2 J23#2.1
Board_0-/PI13_GPIO: D128.1 J2.3 R40#2.1
Board_0-/PI14_GPIO: D128.2 J2.5 R37#2.1
Board_0-/PI15_GPIO: D129.1 J2.7 R36#2.1
Board_0-/PI16_GPIO: D129.2 J2.11 R35#2.1
Board_0-/PI_5V0_P: J9#2.2 R46.2 U3.5
Board_0-/SS: C24.1 U1#2.4
Board_0-/SW: C17#2.2 D36.1 L1#2.1 U1#2.8
Board_0-/VSENSE: R42#2.1 R45#2.2 U1#2.5
Board_0-ENABLE: C25#2.1 D39#2.1 D40#2.2 R47#2.1 R49#2.2 U5.2 U6.2 U7.2 U8#2.1 U8#2.2 U10#2.2 U11.2 U12.2 U13.2 U14.2 U15.2 U16.2 U17.2 U18#2.2 U19.2 U20.2 U21#2.2 U22.2
Board_0-GND: C1.2 C2.2 C3#2.2 C4.2 C5.2 C6.2 C7#2.2 C8.2 C9#2.2 C10.2 C11.2 C12#2.2 C13#2.2 C14.2 C15#2.2 C16#2.2 C18#2.2 C19.2 C20.2 C21#2.2 C22#2.2 C23#2.2 C24.2 C25#2.2 C26.2 C27#2.2 C28#2.2 C29#2.2 C30#2.2 C31.2 C32#2.2 C33.2 C34#2.2 C35#2.2 C36#2.2 C37.2 C38#2.2 C39#2.2 C40.2 C41#2.2 C42.2 C43#2.2 C44#2.2 C45.2 C46#2.2 C47.2 C48.2 D7#2.2 D10#2.2 D11.2 D16#2.2 D18.2 D23#2.2 D28.2 D29.1 D30.1 D31.1 D34#2.3 D35#2.3 D36.2 D37.1 D38.1 D39#2.2 D41#2.1 D42#2.1 D45#2.2 D46.2 D47.2 D48#2.2 D49.2 D50.2 D51.1 D54.2 D57#2.2 D58#2.1 D61#2.2 D64#2.2 D65.1 D68#2.2 D71#2.2 D72#2.1 D75#2.2 D78.2 D79.1 D82#2.2 D85.2 D86#2.1 D89.2 D92.2 D93#2.1 D96#2.2 D99#2.2 D100#2.1 D103.2 D106#2.2 D107#2.1 D110#2.2 D113#2.2 D114#2.1 D117#2.2 D120.2 D121.1 D124#2.2 D126#2.3 D127.3 D128.3 D129.3 D130#2.3 D131.3 F20#2.1 F20#2.2 J2.6 J2.9 J2.14 J2.20 J2.25 J2.30 J2.34 J2.39 J3#2.2 J4#2.2 J5#2.2 J7#2.2 J8.2 J12#2.2 J13#2.2 J14.2 J15#2.2 J16.2 J17.2 J18.2 J19#2.2 J20.2 J21.2 J22.2 J23#2.2 J24#2.2 J26#2.2 Q4#2.2 Q5#2.2 Q6.2 Q8#2.2 Q10#2.2 Q12.2 Q14#2.2 Q16#2.2 Q18.2 Q20.2 Q22#2.2 Q24.2 Q26#2.2 Q28#2.2 Q30#2.2 Q32#2.2 R8#2.1 R11.1 R12#2.1 R14.1 R19#2.1 R25.1 R27.1 R43.1 R45#2.1 R47#2.2 R51#2.1 R53#2.1 R54#2.1 R56.1 R57#2.1 R62.1 R67.1 R69.1 R74.1 R76.1 R81#2.1 R83#2.1 R88.1 R90#2.1 R95#2.1 R97#2.1 R102.1 R104#2.1 R109#2.1 R111.1 R116.1 R118#2.1 R123#2.1 R125.1 R130#2.1 R132.1 R137#2.1 R139.1 R154.1 R155#2.1 R156#2.1 R157#2.1 R158.1 R159#2.1 R160.1 R161.1 R162.1 R163#2.1 R164.1 R165.1 R166.1 R167.1 R168.1 R169#2.1 U1#2.7 U1#2.9 U3.2 U3.4 U3.8 U3.9 U5.3 U6.3 U7.3 U8#2.3 U9#2.1 U10#2.3 U11.3 U12.3 U13.3 U14.3 U15.3 U16.3 U17.3 U18#2.3 U19.3 U20.3 U21#2.3 U22.3
Board_0-MOSFET1: J6.1 R9.2
Board_0-MOSFET2: J6.3 R10#2.2
Board_0-MOSFET3: J6.5 R13.2
Board_0-MOSFET4: J6.7 R18#2.2
Board_0-MOSFET5: J25.1 R50.2
Board_0-MOSFET6: J25.3 R66.2
Board_0-MOSFET7: J25.5 R73.2
Board_0-MOSFET8: J25.7 R80#2.2
Board_0-MOSFET9: J27#2.1 R87#2.2
Board_0-MOSFET10: J27#2.3 R94#2.2
Board_0-MOSFET11: J27#2.5 R101.2
Board_0-MOSFET12: J27#2.7 R108.2
Board_0-MOSFET13: J29.1 R115#2.2
Board_0-MOSFET14: J29.3 R122.2
Board_0-MOSFET15: J29.5 R129#2.2
Board_0-MOSFET16: J29.7 R136#2.2
Board_0-Net-(C23-Pad1): C23#2.1 R44#2.2
Board_0-Net-(D1-A): D1#2.2 R1#2.1
Board_0-Net-(D1-K): D1#2.1 F1#2.2 Q1#2.2
Board_0-Net-(D4-A): D4.2 R4#2.1
Board_0-Net-(D5-A): D5.2 R5#2.1
Board_0-Net-(D6-A): D6.2 Q1#2.1 R8#2.2